# Altium PCB PCB1_G431.PcbDoc
Units mil, origin at the board's own origin, x right, y up, seen from the top; angles counter-clockwise.
Board outline 1094.43 x 1084.92 mil, 4 copper layers (Top Layer, GND, POWER, Bottom Layer), stack 61.855 mil thick; 51 components, 40 nets, 179 pads, 197 vias.
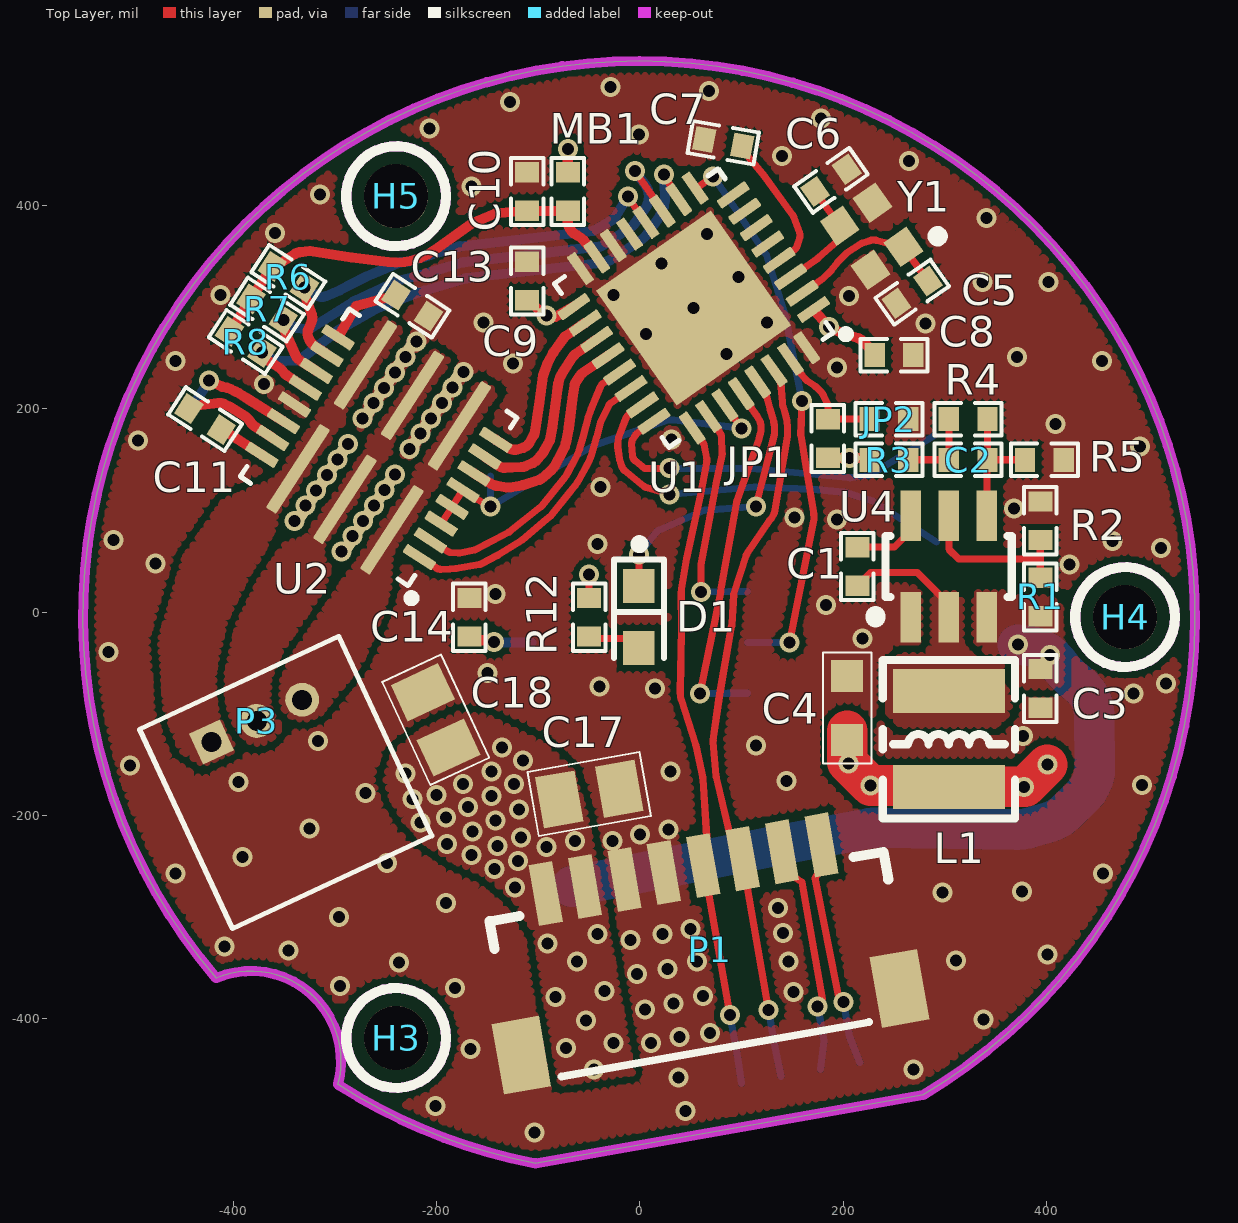
[diagram p0: Top Layer view]
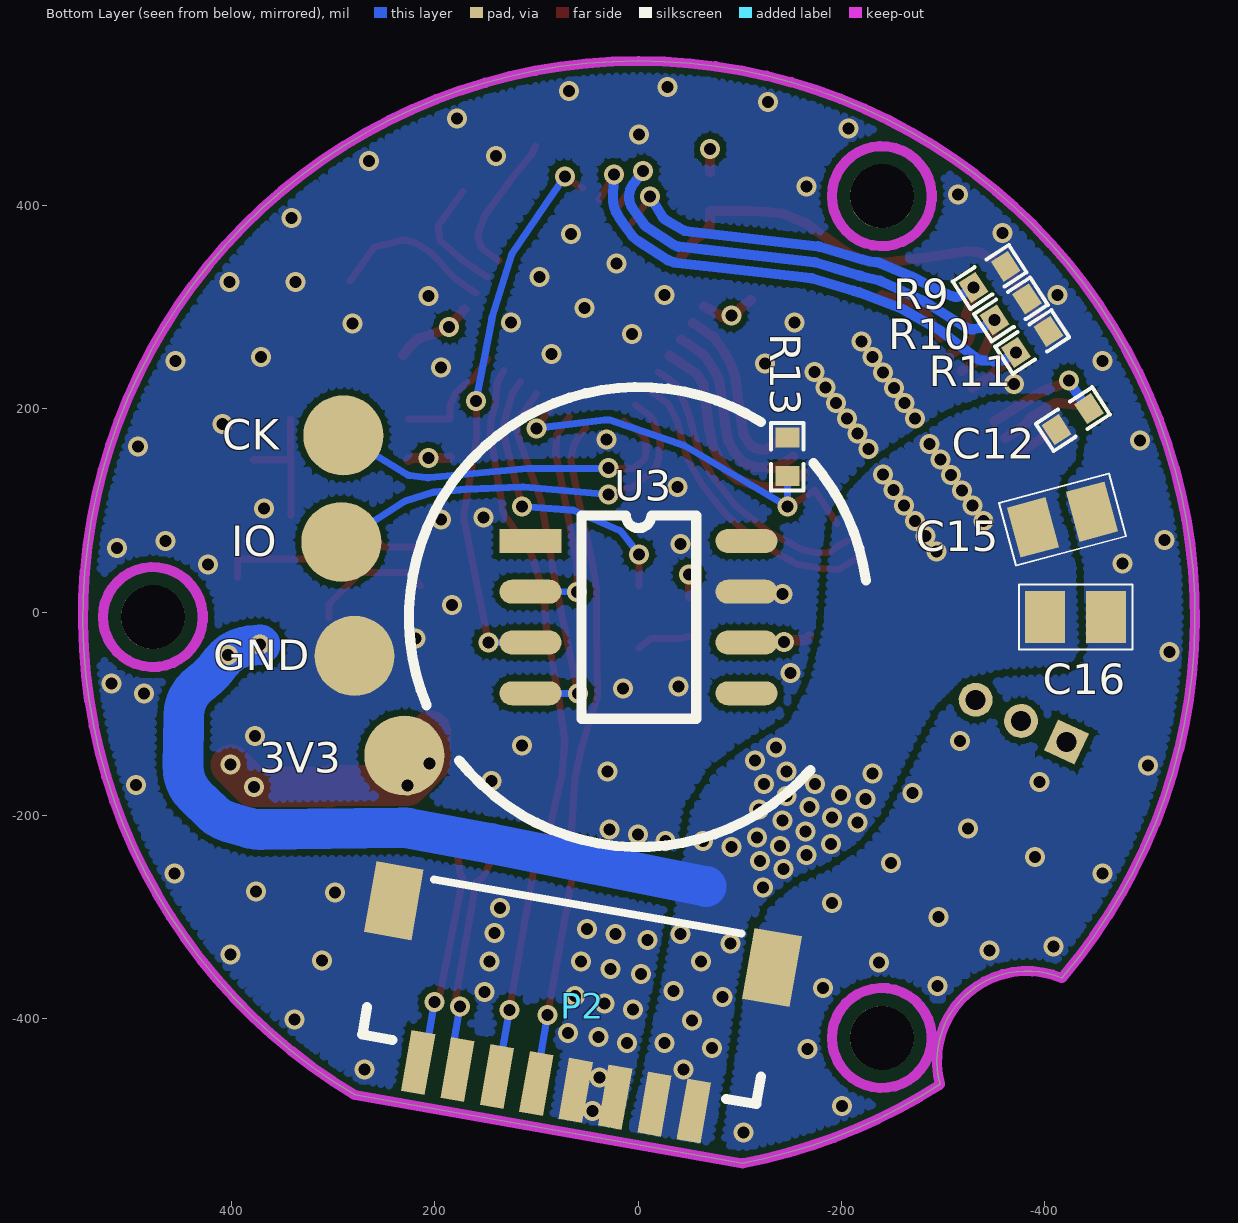
[diagram p1: Bottom Layer view, seen from below]
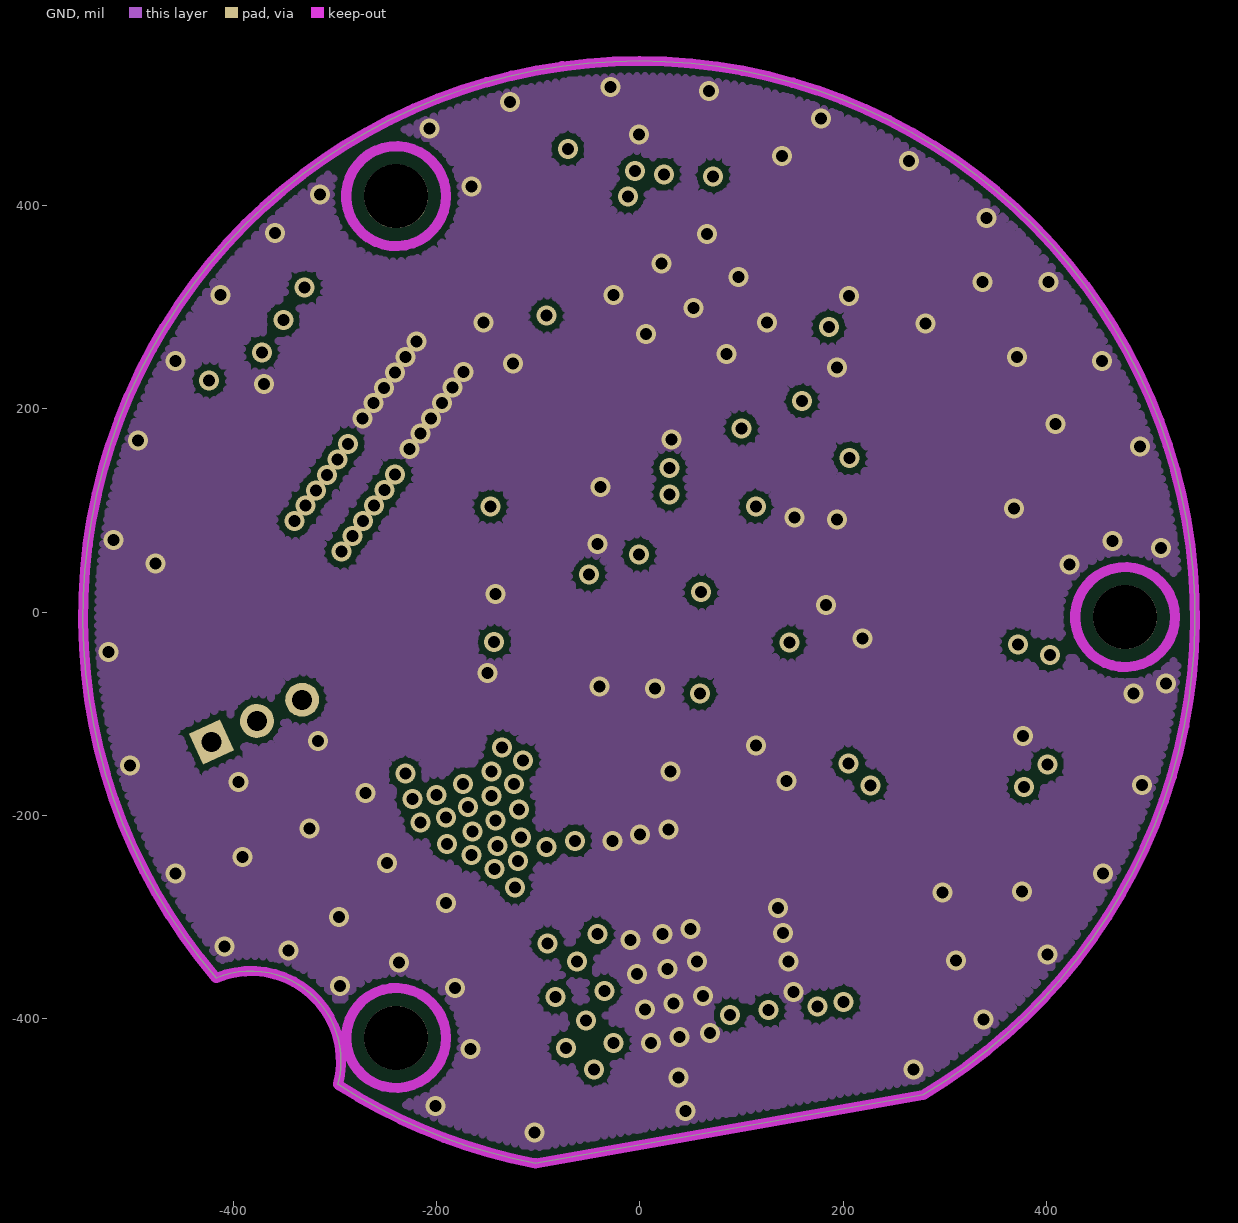
[diagram p2: GND]
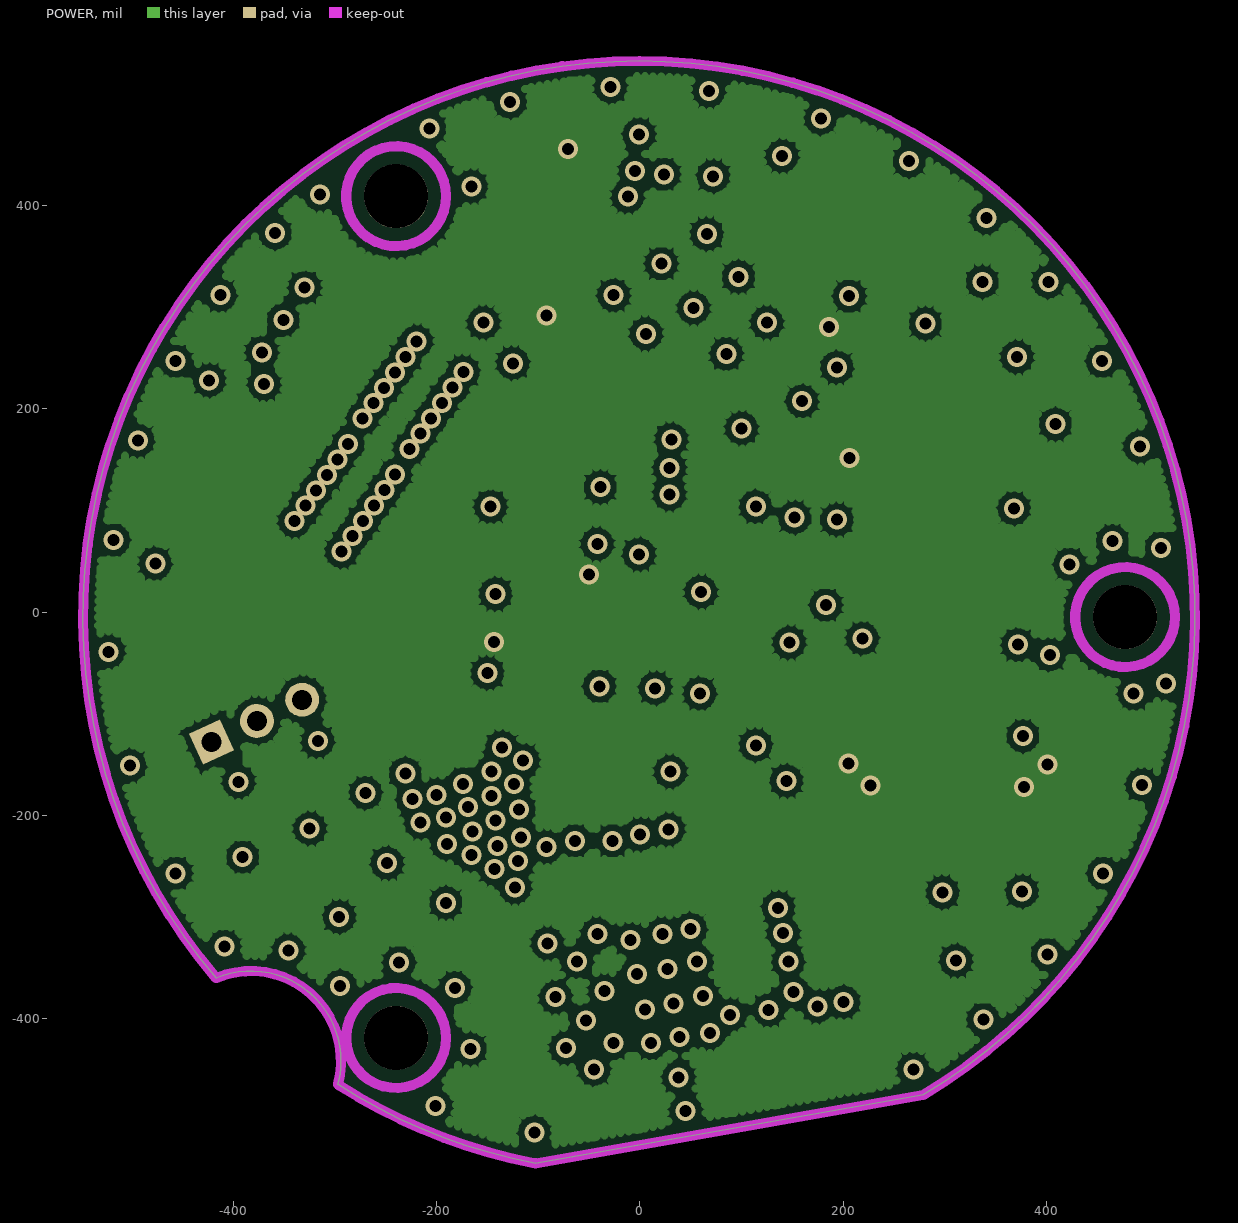
[diagram p3: POWER]
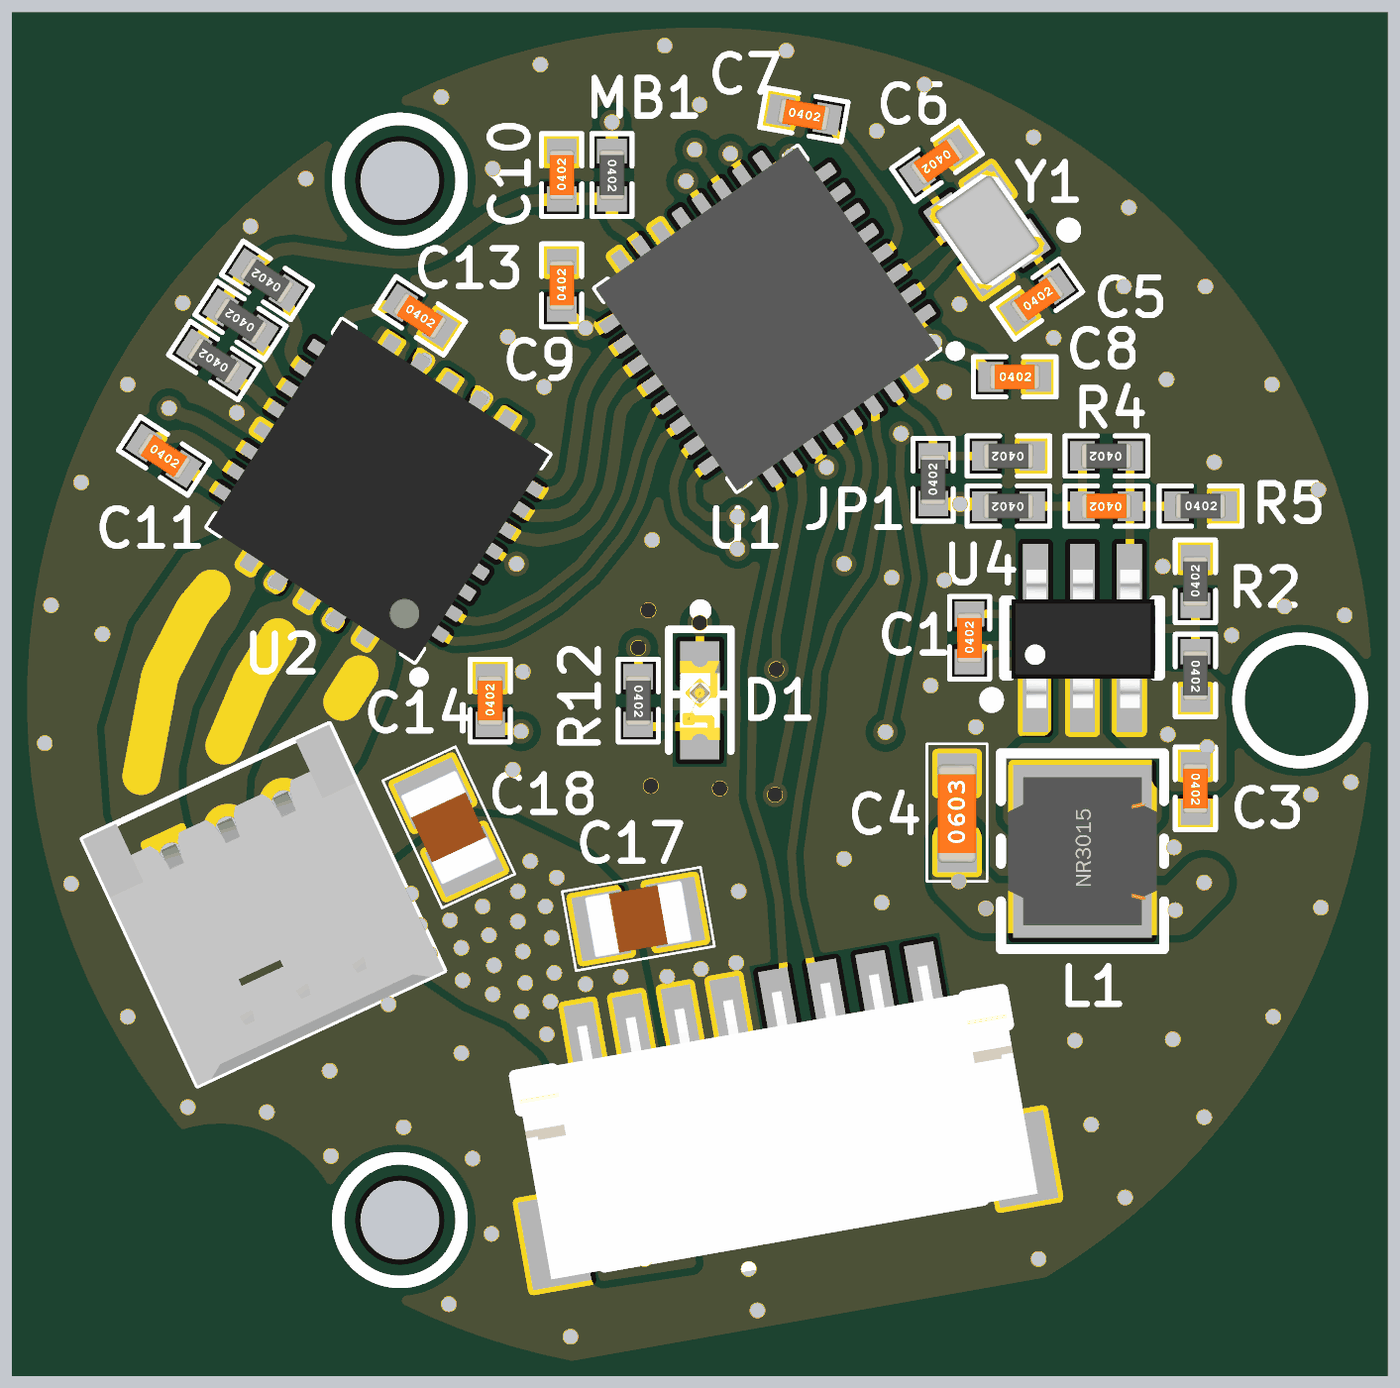
[diagram p4: 3D render of the assembled board from above, using the file's embedded part models]
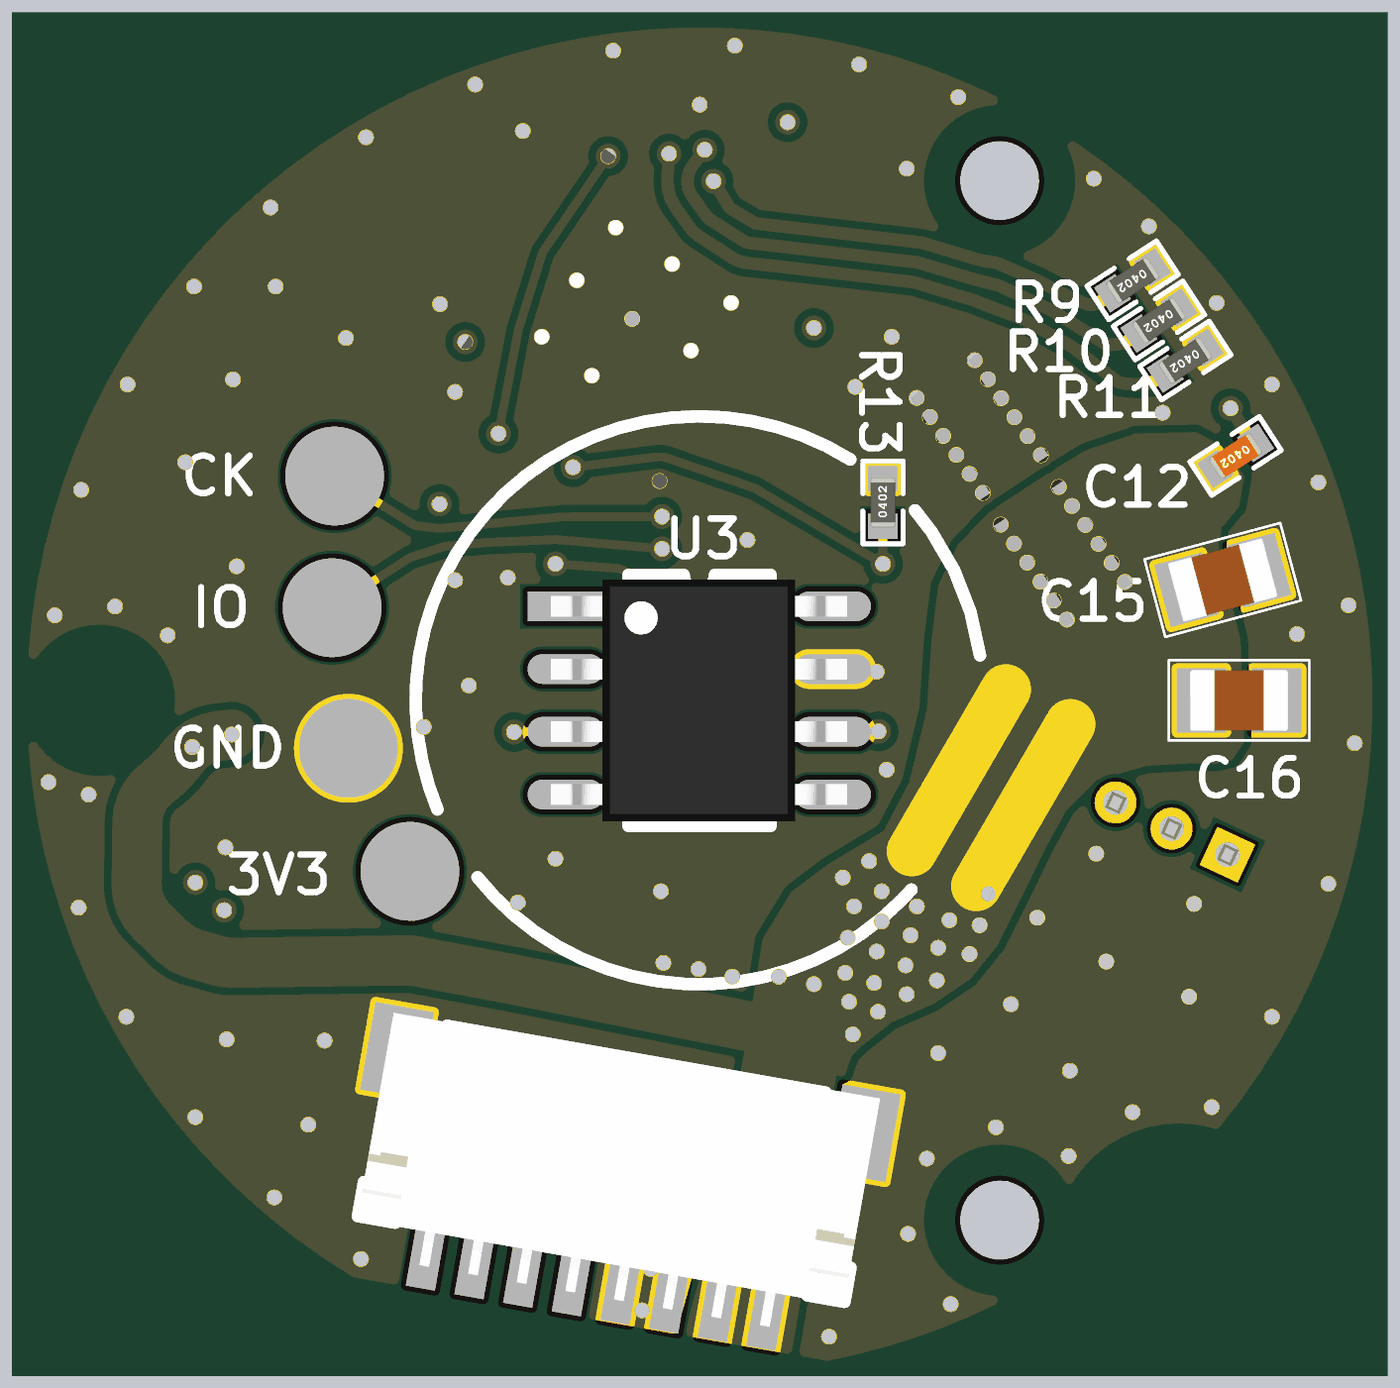
[diagram p5: 3D render of the assembled board from below, using the file's embedded part models]

## Layer stack, top to bottom
Top Solder: solder mask 0.4, Solder Resist, Dk 3.5
Top Layer: signal copper 1.4
Dielectric 2: prepreg 7.874, PP-006, Dk 4.1
GND: signal copper 0.689
Dielectric 1: dielectric 41.9291, FR-4, Dk 4.8
POWER: signal copper 0.689
Dielectric 3: prepreg 7.874, PP-006, Dk 4.1
Bottom Layer: signal copper 1.4
Bottom Solder: solder mask 0.4, Solder Resist, Dk 3.5

## Board outline
-417.04,-360.13 cw(c-0.85,-4.8) 278.8,-475.2 -102.75,-542.47 cw(c-0.85,-4.8) -297.21,-464.85 ccw(c-382.74,-441.81)

## Design rules (kind name [scope] priority, off if disabled: settings)
Clearance [All] p1: gap=6 ignorepadtopadclearanceinfootprint=FALSE except(0: Arc-Hole Track-Hole SMDPad-Hole THPad-Hole Via-Hole Fill-Hole Poly-Hole Region-Hole Text-Hole)
PolygonConnect [All] p1: connectstyle=Direct reliefconductorwidth=10 reliefentries=4 polygonreliefangle="90 Angle" airgapwidth=10
RoutingVias [All] p1: holewidth=11.81 width=19.68 viastyle="Through Hole" minholewidth=11.81 minwidth=19.68 maxholewidth=11.81 maxwidth=19.68
SolderMaskExpansion SolderMaskExpansion_1 [IsVia] p1: expansion=0 istentingtop=TRUE soldermaskfromhole=TRUE
SolderMaskExpansion [All] p2: expansion=4 istentingtop=FALSE
Width [All] p1: maxlimit=40 minlimit=7 preferedwidth=7
30 further rules are at their usual default settings.

## Components (designator, comment, footprint, x,y, rotation, side; value= is the part's Value field where it differs from the comment)
3V3 "solder_pad" solder_pad_1 230.11,-141.05 r180 bottom
C1 "C_0603" C_0402 214.11,44.95 r90 top value=100nf
C2 "C_0603" C_0402 323.11,149.95 r180 top value=72pf
C3 "C_0603" C_0402 394.11,-75.05 r270 top value=100nf
C4 "C_0603" C_0603 204.11,-95.05 r90 top value=10uf
C5 "C_0603" C_0402 268.11,314.95 r35 top value=10pf
C6 "C_0603" C_0402 188.11,424.95 r215 top value=10pf
C7 "C_0603" C_0402 82.11,461.95 r350 top value=100nf
C8 "C_0603" C_0402 250.11,252.95 r0 top value=100nf
C9 "C_0603" C_0402 -110.89,325.95 r90 top value=100nf
C10 "C_0603" C_0402 -110.89,413.95 r90 top value=100nf
C11 "C_0603" C_0402 -427.89,189.95 r327 top value=470nf
C12 "C_0603" C_0402 -427.89,189.95 r327 bottom value=1uf
C13 "C_0603" C_0402 -223.96,301.6 r327 top value=4.7uf
C14 "C_0603" C_0402 -167.89,-5.05 r90 top value=100nf
C15 "C_0603" C_0805 -417.72,91.12 r345 bottom value=4.7uf
C16 "C_0603" C_0805 -430.72,-4.88 r0 bottom value=4.7uf
C17 "C_0603" C_0805 -49.89,-179.05 r190 top value=4.7uf
C18 "C_0603" C_0805 -200.89,-106.05 r295 top value=4.7uf
CK "solder_pad" solder_pad_1 290.11,173.95 r180 bottom
D1 "LED" LED_0603 -0.85,-4.8 r90 top
GND "solder_pad" solder_pad_1 279.11,-43.05 r180 bottom
H3 "" "M3 Hole" -239.9,-419.14 r0 top
H4 "" "M3 Hole" 477.62,-4.88 r0 top
H5 "" "M3 Hole" -239.9,409.38 r0 top
IO "solder_pad" solder_pad_1 292.11,68.95 r180 bottom
JP1 "R_0603" R_0402 185.11,170.95 r90 top value=0
JP2 "R_0603" R_0402 245.11,189.95 r180 top value=0
L1 "10uH" NR3015 304.11,-125.05 r90 top
MB1 "R_0603" R_0402 -70.89,413.95 r270 top value=0
P1 "Header 9" JST_SM08B-SRSS-TB(LF)(SN) 75.66,-438.08 r10 top
P2 "Header 8" JST_SM08B-SRSS-TB(LF)(SN) 48.15,-282.08 r10 bottom
P3 "Header 2" MOLEX_530480310 -421.5,-127.85 r25 top
R1 "R_0603" R_0402 394.11,14.95 r270 top value=511K
R2 "R_0603" R_0402 394.11,89.95 r90 top value=105k
R3 "R_0603" R_0402 245.11,149.95 r180 top value=49.9
R4 "R_0603" R_0402 323.11,189.95 r180 top value=100k
R5 "R_0603" R_0402 398.11,149.95 r0 top value=13.3k
R6 "R_0603" R_0402 -345.89,329.95 r147 top value=4.99k
R7 "R_0603" R_0402 -366.89,297.95 r147 top value=4.99k
R8 "R_0603" R_0402 -387.89,265.95 r147 top value=4.99k
R9 "R_0603" R_0402 -345.89,329.95 r327 bottom value=4.99k
R10 "R_0603" R_0402 -366.89,297.95 r327 bottom value=4.99k
R11 "R_0603" R_0402 -387.89,265.95 r327 bottom value=4.99k
R12 "R_0603" R_0402 -49.89,-5.05 r270 top value=511K
R13 "R_0603" R_0402 -146.89,152.95 r90 bottom value=4.7K
U1 "STM32G431KBUx" QFN32 52.95,299.27 r215 top
U2 "MP6540" QFN26-MPS -257,162.25 r147 top
U3 "TLE5012" SOIC8 -0.72,-4.88 r180 bottom
U4 "TPS54302" SOT-23-6 266.7,-5.05 r90 top
Y1 "XTAL_3225" XTAL-2016 228.11,369.95 r125 top
